# Altium PCB ultra.PcbDoc (part 2 of 9)
Units mm, origin at the board's own origin, x right, y up, seen from the top; angles counter-clockwise.
Board outline 210 x 210 mm, 2 copper layers (Top Layer, Bottom Layer), stack 1.591 mm thick; 722 components, 1083 nets, 2232 pads, 1540 vias.
Unrouted connection lines stored in the file: 21.
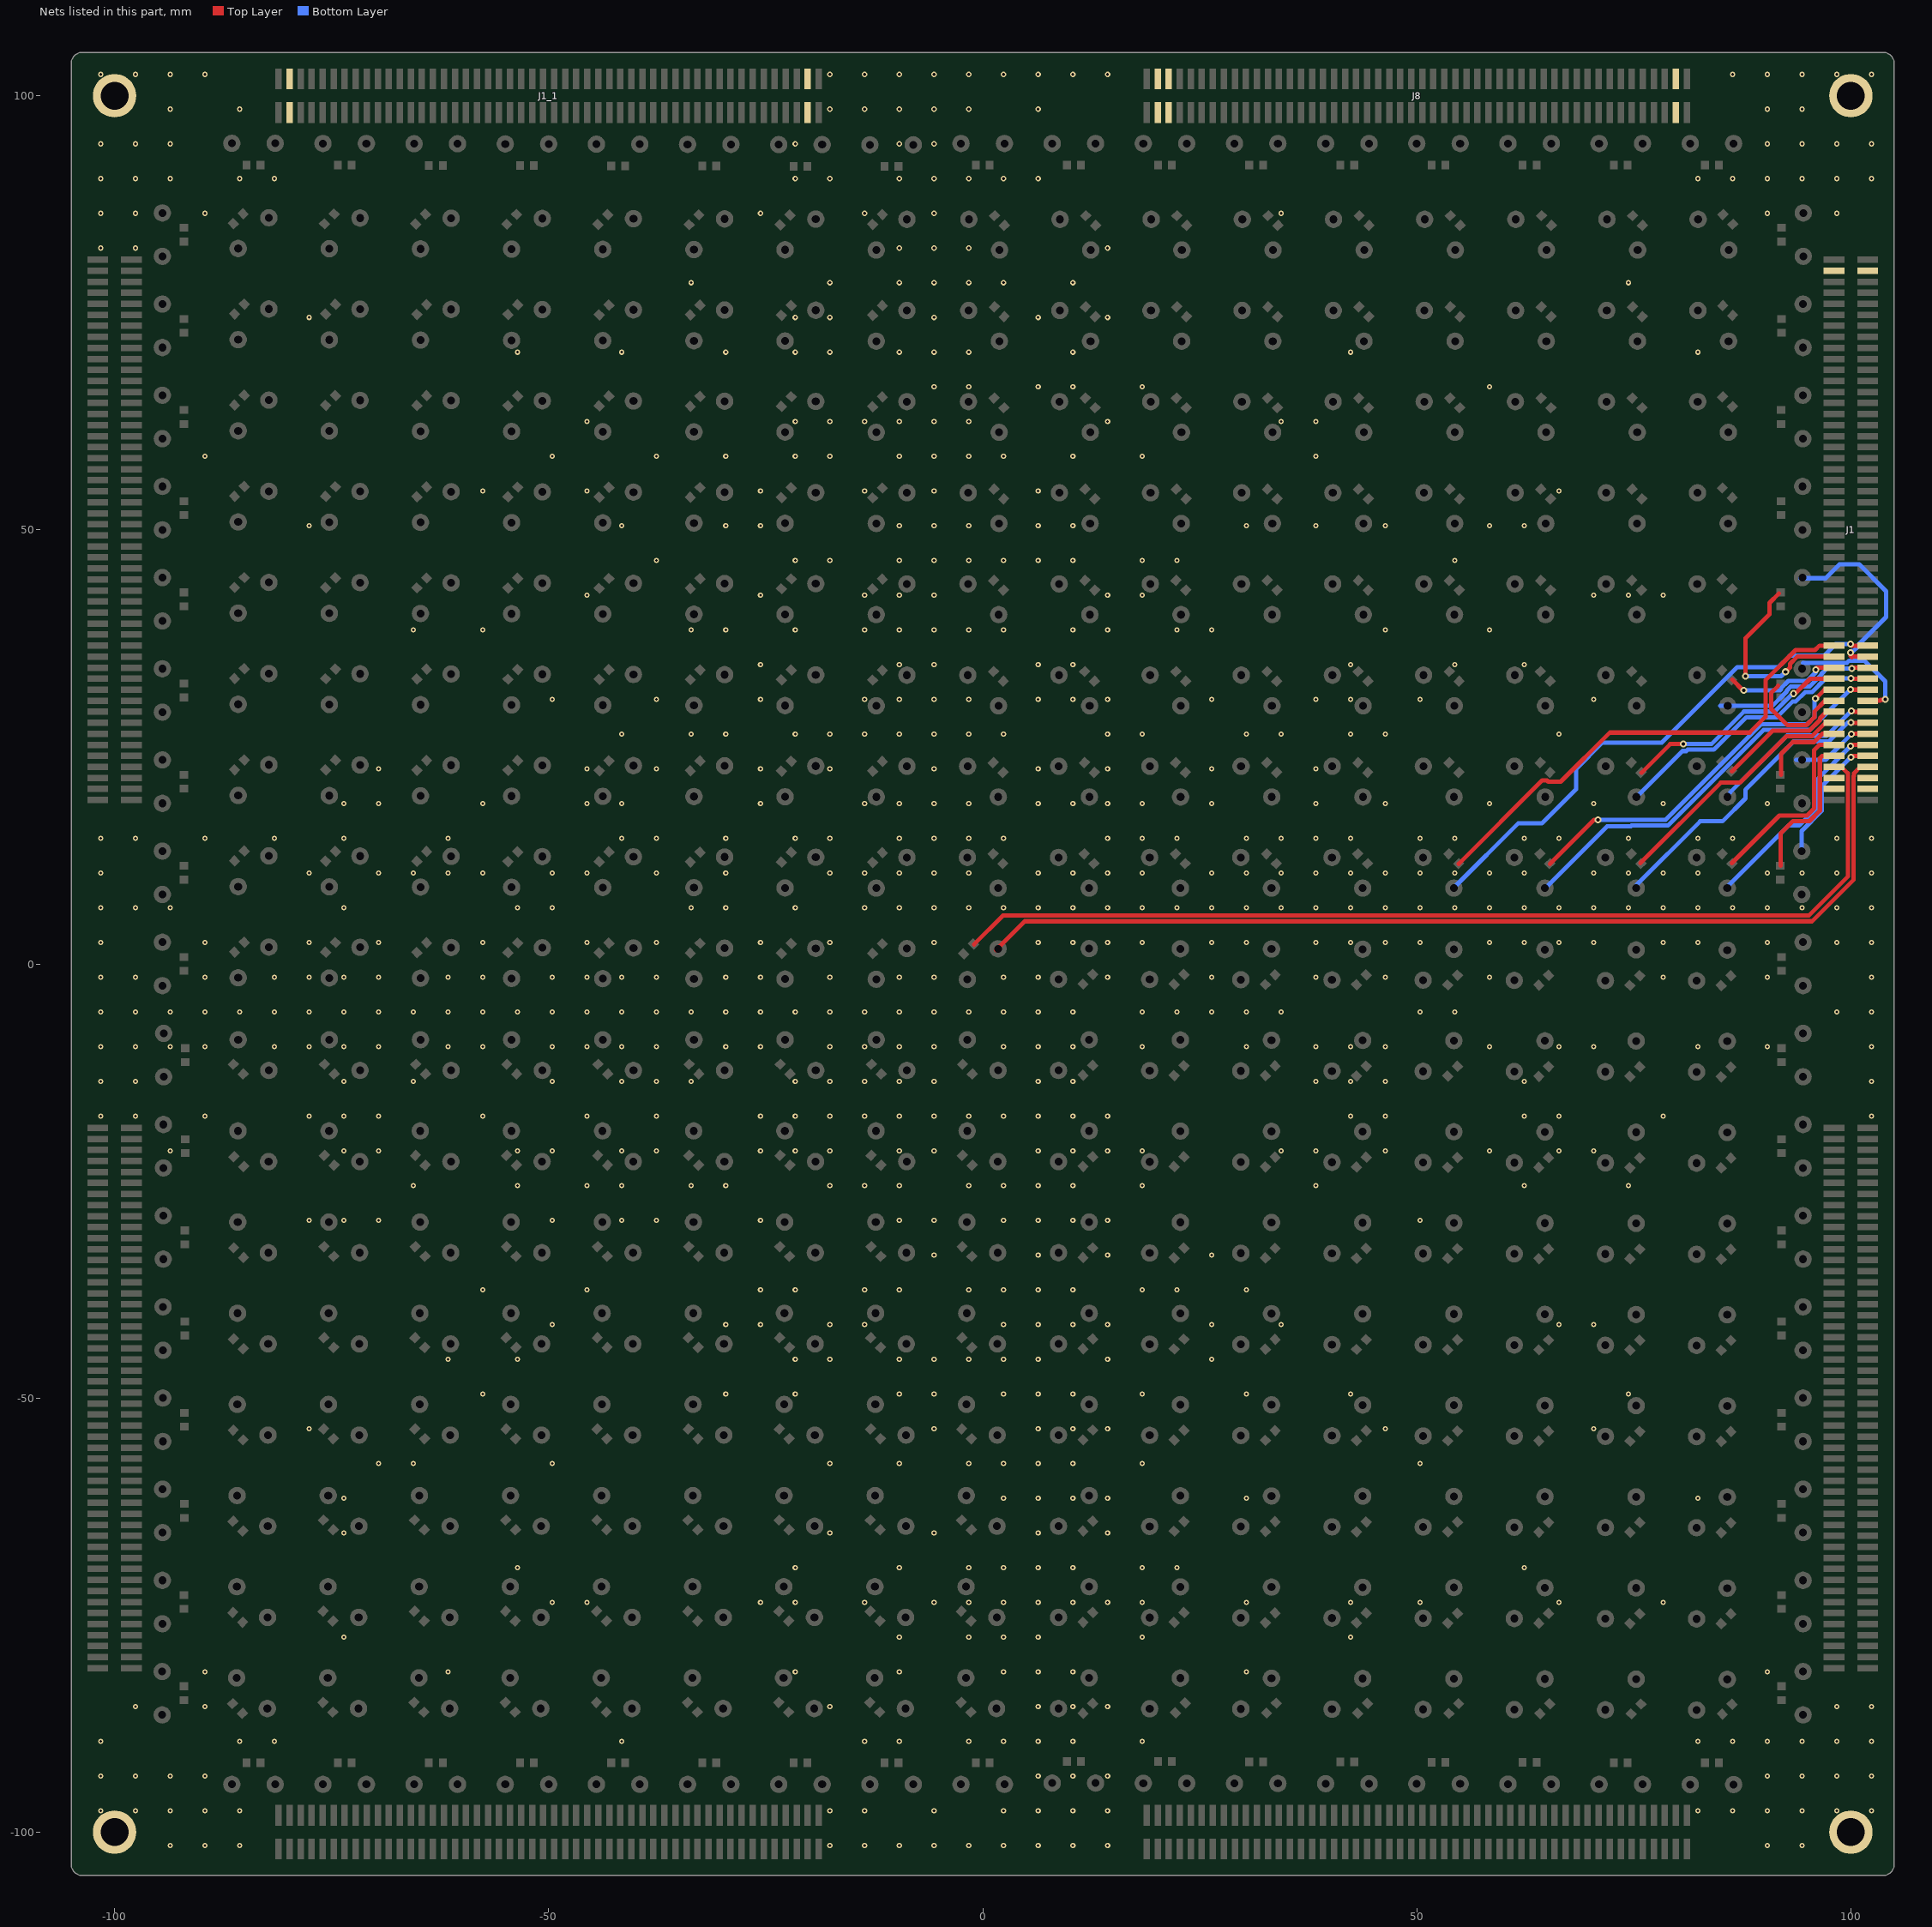
[diagram p2: the nets of this part, all layers, seen from the top]

## Components (designator, comment, footprint, x,y, rotation, side; value= is the part's Value field where it differs from the comment) (continued)
US1_U_ultra350_2_5_1 "Ultrasonic_10mm" ULTRA_10 -63,52.625 r45 bottom (schematic designator US1)
US1_U_ultra350_2_5_2 "Ultrasonic_10mm" ULTRA_10 -52.625,-63 r135 bottom (schematic designator US1)
US1_U_ultra350_2_5_3 "Ultrasonic_10mm" ULTRA_10 63,-52.625 r225 bottom (schematic designator US1)
US1_U_ultra350_2_6 "Ultrasonic_10mm" ULTRA_10 52.65,73.5 r315 bottom (schematic designator US1)
US1_U_ultra350_2_6_1 "Ultrasonic_10mm" ULTRA_10 -73.5,52.65 r45 bottom (schematic designator US1)
US1_U_ultra350_2_6_2 "Ultrasonic_10mm" ULTRA_10 -52.65,-73.5 r135 bottom (schematic designator US1)
US1_U_ultra350_2_6_3 "Ultrasonic_10mm" ULTRA_10 73.5,-52.65 r225 bottom (schematic designator US1)
US1_U_ultra350_2_7 "Ultrasonic_10mm" ULTRA_10 52.675,84 r315 bottom (schematic designator US1)
US1_U_ultra350_2_7_1 "Ultrasonic_10mm" ULTRA_10 -84,52.675 r45 bottom (schematic designator US1)
US1_U_ultra350_2_7_2 "Ultrasonic_10mm" ULTRA_10 -52.675,-84 r135 bottom (schematic designator US1)
US1_U_ultra350_2_7_3 "Ultrasonic_10mm" ULTRA_10 84,-52.675 r225 bottom (schematic designator US1)
US1_U_ultra350_2_8 "Ultrasonic_10mm" ULTRA_10 -10.5,52.5 r45 bottom (schematic designator US1)
US1_U_ultra350_2_9 "Ultrasonic_10mm" ULTRA_10 -52.5,-10.5 r135 bottom (schematic designator US1)
US1_U_ultra350_2_10 "Ultrasonic_10mm" ULTRA_10 10.5,-52.5 r225 bottom (schematic designator US1)
US1_U_ultra350_3 "Ultrasonic_10mm" ULTRA_10 42,10.5 r315 bottom (schematic designator US1)
US1_U_ultra350_3_1 "Ultrasonic_10mm" ULTRA_10 42.025,21 r315 bottom (schematic designator US1)
US1_U_ultra350_3_1_1 "Ultrasonic_10mm" ULTRA_10 -21,42.025 r45 bottom (schematic designator US1)
US1_U_ultra350_3_1_2 "Ultrasonic_10mm" ULTRA_10 -42.025,-21 r135 bottom (schematic designator US1)
US1_U_ultra350_3_1_3 "Ultrasonic_10mm" ULTRA_10 21,-42.025 r225 bottom (schematic designator US1)
US1_U_ultra350_3_2 "Ultrasonic_10mm" ULTRA_10 42.05,31.5 r315 bottom (schematic designator US1)
US1_U_ultra350_3_2_1 "Ultrasonic_10mm" ULTRA_10 -31.5,42.05 r45 bottom (schematic designator US1)
US1_U_ultra350_3_2_2 "Ultrasonic_10mm" ULTRA_10 -42.05,-31.5 r135 bottom (schematic designator US1)
US1_U_ultra350_3_2_3 "Ultrasonic_10mm" ULTRA_10 31.5,-42.05 r225 bottom (schematic designator US1)
US1_U_ultra350_3_3 "Ultrasonic_10mm" ULTRA_10 42.075,42 r315 bottom (schematic designator US1)
US1_U_ultra350_3_3_1 "Ultrasonic_10mm" ULTRA_10 -42,42.075 r45 bottom (schematic designator US1)
US1_U_ultra350_3_3_2 "Ultrasonic_10mm" ULTRA_10 -42.075,-42 r135 bottom (schematic designator US1)
US1_U_ultra350_3_3_3 "Ultrasonic_10mm" ULTRA_10 42,-42.075 r225 bottom (schematic designator US1)
US1_U_ultra350_3_4 "Ultrasonic_10mm" ULTRA_10 42.1,52.5 r315 bottom (schematic designator US1)
US1_U_ultra350_3_4_1 "Ultrasonic_10mm" ULTRA_10 -52.5,42.1 r45 bottom (schematic designator US1)
US1_U_ultra350_3_4_2 "Ultrasonic_10mm" ULTRA_10 -42.1,-52.5 r135 bottom (schematic designator US1)
US1_U_ultra350_3_4_3 "Ultrasonic_10mm" ULTRA_10 52.5,-42.1 r225 bottom (schematic designator US1)
US1_U_ultra350_3_5 "Ultrasonic_10mm" ULTRA_10 42.125,63 r315 bottom (schematic designator US1)
US1_U_ultra350_3_5_1 "Ultrasonic_10mm" ULTRA_10 -63,42.125 r45 bottom (schematic designator US1)
US1_U_ultra350_3_5_2 "Ultrasonic_10mm" ULTRA_10 -42.125,-63 r135 bottom (schematic designator US1)
US1_U_ultra350_3_5_3 "Ultrasonic_10mm" ULTRA_10 63,-42.125 r225 bottom (schematic designator US1)
US1_U_ultra350_3_6 "Ultrasonic_10mm" ULTRA_10 42.15,73.5 r315 bottom (schematic designator US1)
US1_U_ultra350_3_6_1 "Ultrasonic_10mm" ULTRA_10 -73.5,42.15 r45 bottom (schematic designator US1)
US1_U_ultra350_3_6_2 "Ultrasonic_10mm" ULTRA_10 -42.15,-73.5 r135 bottom (schematic designator US1)
US1_U_ultra350_3_6_3 "Ultrasonic_10mm" ULTRA_10 73.5,-42.15 r225 bottom (schematic designator US1)
US1_U_ultra350_3_7 "Ultrasonic_10mm" ULTRA_10 42.175,84 r315 bottom (schematic designator US1)
US1_U_ultra350_3_7_1 "Ultrasonic_10mm" ULTRA_10 -84,42.175 r45 bottom (schematic designator US1)
US1_U_ultra350_3_7_2 "Ultrasonic_10mm" ULTRA_10 -42.175,-84 r135 bottom (schematic designator US1)
US1_U_ultra350_3_7_3 "Ultrasonic_10mm" ULTRA_10 84,-42.175 r225 bottom (schematic designator US1)
US1_U_ultra350_3_8 "Ultrasonic_10mm" ULTRA_10 -10.5,42 r45 bottom (schematic designator US1)
US1_U_ultra350_3_9 "Ultrasonic_10mm" ULTRA_10 -42,-10.5 r135 bottom (schematic designator US1)
US1_U_ultra350_3_10 "Ultrasonic_10mm" ULTRA_10 10.5,-42 r225 bottom (schematic designator US1)
US1_U_ultra350_4 "Ultrasonic_10mm" ULTRA_10 31.5,10.5 r315 bottom (schematic designator US1)
US1_U_ultra350_4_1 "Ultrasonic_10mm" ULTRA_10 31.525,21 r315 bottom (schematic designator US1)
US1_U_ultra350_4_1_1 "Ultrasonic_10mm" ULTRA_10 -21,31.525 r45 bottom (schematic designator US1)
US1_U_ultra350_4_1_2 "Ultrasonic_10mm" ULTRA_10 -31.525,-21 r135 bottom (schematic designator US1)
US1_U_ultra350_4_1_3 "Ultrasonic_10mm" ULTRA_10 21,-31.525 r225 bottom (schematic designator US1)
US1_U_ultra350_4_2 "Ultrasonic_10mm" ULTRA_10 31.55,31.5 r315 bottom (schematic designator US1)
US1_U_ultra350_4_2_1 "Ultrasonic_10mm" ULTRA_10 -31.5,31.55 r45 bottom (schematic designator US1)
US1_U_ultra350_4_2_2 "Ultrasonic_10mm" ULTRA_10 -31.55,-31.5 r135 bottom (schematic designator US1)
US1_U_ultra350_4_2_3 "Ultrasonic_10mm" ULTRA_10 31.5,-31.55 r225 bottom (schematic designator US1)
US1_U_ultra350_4_3 "Ultrasonic_10mm" ULTRA_10 31.575,42 r315 bottom (schematic designator US1)
US1_U_ultra350_4_3_1 "Ultrasonic_10mm" ULTRA_10 -42,31.575 r45 bottom (schematic designator US1)
US1_U_ultra350_4_3_2 "Ultrasonic_10mm" ULTRA_10 -31.575,-42 r135 bottom (schematic designator US1)
US1_U_ultra350_4_3_3 "Ultrasonic_10mm" ULTRA_10 42,-31.575 r225 bottom (schematic designator US1)
US1_U_ultra350_4_4 "Ultrasonic_10mm" ULTRA_10 31.6,52.5 r315 bottom (schematic designator US1)
US1_U_ultra350_4_4_1 "Ultrasonic_10mm" ULTRA_10 -52.5,31.6 r45 bottom (schematic designator US1)
US1_U_ultra350_4_4_2 "Ultrasonic_10mm" ULTRA_10 -31.6,-52.5 r135 bottom (schematic designator US1)
US1_U_ultra350_4_4_3 "Ultrasonic_10mm" ULTRA_10 52.5,-31.6 r225 bottom (schematic designator US1)
US1_U_ultra350_4_5 "Ultrasonic_10mm" ULTRA_10 31.625,63 r315 bottom (schematic designator US1)
US1_U_ultra350_4_5_1 "Ultrasonic_10mm" ULTRA_10 -63,31.625 r45 bottom (schematic designator US1)
US1_U_ultra350_4_5_2 "Ultrasonic_10mm" ULTRA_10 -31.625,-63 r135 bottom (schematic designator US1)
US1_U_ultra350_4_5_3 "Ultrasonic_10mm" ULTRA_10 63,-31.625 r225 bottom (schematic designator US1)
US1_U_ultra350_4_6 "Ultrasonic_10mm" ULTRA_10 31.65,73.5 r315 bottom (schematic designator US1)
US1_U_ultra350_4_6_1 "Ultrasonic_10mm" ULTRA_10 -73.5,31.65 r45 bottom (schematic designator US1)
US1_U_ultra350_4_6_2 "Ultrasonic_10mm" ULTRA_10 -31.65,-73.5 r135 bottom (schematic designator US1)
US1_U_ultra350_4_6_3 "Ultrasonic_10mm" ULTRA_10 73.5,-31.65 r225 bottom (schematic designator US1)
US1_U_ultra350_4_7 "Ultrasonic_10mm" ULTRA_10 31.675,84 r315 bottom (schematic designator US1)
US1_U_ultra350_4_7_1 "Ultrasonic_10mm" ULTRA_10 -84,31.675 r45 bottom (schematic designator US1)
US1_U_ultra350_4_7_2 "Ultrasonic_10mm" ULTRA_10 -31.675,-84 r135 bottom (schematic designator US1)
US1_U_ultra350_4_7_3 "Ultrasonic_10mm" ULTRA_10 84,-31.675 r225 bottom (schematic designator US1)
US1_U_ultra350_4_8 "Ultrasonic_10mm" ULTRA_10 -10.5,31.5 r45 bottom (schematic designator US1)
US1_U_ultra350_4_9 "Ultrasonic_10mm" ULTRA_10 -31.5,-10.5 r135 bottom (schematic designator US1)
US1_U_ultra350_4_10 "Ultrasonic_10mm" ULTRA_10 10.5,-31.5 r225 bottom (schematic designator US1)
US1_U_ultra350_5 "Ultrasonic_10mm" ULTRA_10 21,10.5 r315 bottom (schematic designator US1)
US1_U_ultra350_5_1 "Ultrasonic_10mm" ULTRA_10 21.025,21 r315 bottom (schematic designator US1)
US1_U_ultra350_5_1_1 "Ultrasonic_10mm" ULTRA_10 -21,21.025 r45 bottom (schematic designator US1)
US1_U_ultra350_5_1_2 "Ultrasonic_10mm" ULTRA_10 -21.025,-21 r135 bottom (schematic designator US1)
US1_U_ultra350_5_1_3 "Ultrasonic_10mm" ULTRA_10 21,-21.025 r225 bottom (schematic designator US1)
US1_U_ultra350_5_2 "Ultrasonic_10mm" ULTRA_10 21.05,31.5 r315 bottom (schematic designator US1)
US1_U_ultra350_5_2_1 "Ultrasonic_10mm" ULTRA_10 -31.5,21.05 r45 bottom (schematic designator US1)
US1_U_ultra350_5_2_2 "Ultrasonic_10mm" ULTRA_10 -21.05,-31.5 r135 bottom (schematic designator US1)
US1_U_ultra350_5_2_3 "Ultrasonic_10mm" ULTRA_10 31.5,-21.05 r225 bottom (schematic designator US1)
US1_U_ultra350_5_3 "Ultrasonic_10mm" ULTRA_10 21.075,42 r315 bottom (schematic designator US1)
US1_U_ultra350_5_3_1 "Ultrasonic_10mm" ULTRA_10 -42,21.075 r45 bottom (schematic designator US1)
US1_U_ultra350_5_3_2 "Ultrasonic_10mm" ULTRA_10 -21.075,-42 r135 bottom (schematic designator US1)
US1_U_ultra350_5_3_3 "Ultrasonic_10mm" ULTRA_10 42,-21.075 r225 bottom (schematic designator US1)
US1_U_ultra350_5_4 "Ultrasonic_10mm" ULTRA_10 21.1,52.5 r315 bottom (schematic designator US1)
US1_U_ultra350_5_4_1 "Ultrasonic_10mm" ULTRA_10 -52.5,21.1 r45 bottom (schematic designator US1)
US1_U_ultra350_5_4_2 "Ultrasonic_10mm" ULTRA_10 -21.1,-52.5 r135 bottom (schematic designator US1)
US1_U_ultra350_5_4_3 "Ultrasonic_10mm" ULTRA_10 52.5,-21.1 r225 bottom (schematic designator US1)
US1_U_ultra350_5_5 "Ultrasonic_10mm" ULTRA_10 21.125,63 r315 bottom (schematic designator US1)
US1_U_ultra350_5_5_1 "Ultrasonic_10mm" ULTRA_10 -63,21.125 r45 bottom (schematic designator US1)
US1_U_ultra350_5_5_2 "Ultrasonic_10mm" ULTRA_10 -21.125,-63 r135 bottom (schematic designator US1)
US1_U_ultra350_5_5_3 "Ultrasonic_10mm" ULTRA_10 63,-21.125 r225 bottom (schematic designator US1)
US1_U_ultra350_5_6 "Ultrasonic_10mm" ULTRA_10 21.15,73.5 r315 bottom (schematic designator US1)
US1_U_ultra350_5_6_1 "Ultrasonic_10mm" ULTRA_10 -73.5,21.15 r45 bottom (schematic designator US1)
US1_U_ultra350_5_6_2 "Ultrasonic_10mm" ULTRA_10 -21.15,-73.5 r135 bottom (schematic designator US1)
US1_U_ultra350_5_6_3 "Ultrasonic_10mm" ULTRA_10 73.5,-21.15 r225 bottom (schematic designator US1)
US1_U_ultra350_5_7 "Ultrasonic_10mm" ULTRA_10 21.175,84 r315 bottom (schematic designator US1)
US1_U_ultra350_5_7_1 "Ultrasonic_10mm" ULTRA_10 -84,21.175 r45 bottom (schematic designator US1)
US1_U_ultra350_5_7_2 "Ultrasonic_10mm" ULTRA_10 -21.175,-84 r135 bottom (schematic designator US1)
US1_U_ultra350_5_7_3 "Ultrasonic_10mm" ULTRA_10 84,-21.175 r225 bottom (schematic designator US1)
US1_U_ultra350_5_8 "Ultrasonic_10mm" ULTRA_10 -10.5,21 r45 bottom (schematic designator US1)
US1_U_ultra350_5_9 "Ultrasonic_10mm" ULTRA_10 -21,-10.5 r135 bottom (schematic designator US1)
US1_U_ultra350_5_10 "Ultrasonic_10mm" ULTRA_10 10.5,-21 r225 bottom (schematic designator US1)
US1_U_ultra350_6 "Ultrasonic_10mm" ULTRA_10 10.5,10.5 r315 bottom (schematic designator US1)
US1_U_ultra350_6_1 "Ultrasonic_10mm" ULTRA_10 10.525,21 r315 bottom (schematic designator US1)
US1_U_ultra350_6_1_1 "Ultrasonic_10mm" ULTRA_10 -21,10.525 r45 bottom (schematic designator US1)
US1_U_ultra350_6_1_2 "Ultrasonic_10mm" ULTRA_10 -10.525,-21 r135 bottom (schematic designator US1)
US1_U_ultra350_6_1_3 "Ultrasonic_10mm" ULTRA_10 21,-10.525 r225 bottom (schematic designator US1)
US1_U_ultra350_6_2 "Ultrasonic_10mm" ULTRA_10 10.55,31.5 r315 bottom (schematic designator US1)
US1_U_ultra350_6_2_1 "Ultrasonic_10mm" ULTRA_10 -31.5,10.55 r45 bottom (schematic designator US1)
US1_U_ultra350_6_2_2 "Ultrasonic_10mm" ULTRA_10 -10.55,-31.5 r135 bottom (schematic designator US1)
US1_U_ultra350_6_2_3 "Ultrasonic_10mm" ULTRA_10 31.5,-10.55 r225 bottom (schematic designator US1)
US1_U_ultra350_6_3 "Ultrasonic_10mm" ULTRA_10 10.575,42 r315 bottom (schematic designator US1)
US1_U_ultra350_6_3_1 "Ultrasonic_10mm" ULTRA_10 -42,10.575 r45 bottom (schematic designator US1)
US1_U_ultra350_6_3_2 "Ultrasonic_10mm" ULTRA_10 -10.575,-42 r135 bottom (schematic designator US1)
US1_U_ultra350_6_3_3 "Ultrasonic_10mm" ULTRA_10 42,-10.575 r225 bottom (schematic designator US1)
US1_U_ultra350_6_4 "Ultrasonic_10mm" ULTRA_10 10.6,52.5 r315 bottom (schematic designator US1)
US1_U_ultra350_6_4_1 "Ultrasonic_10mm" ULTRA_10 -52.5,10.6 r45 bottom (schematic designator US1)
US1_U_ultra350_6_4_2 "Ultrasonic_10mm" ULTRA_10 -10.6,-52.5 r135 bottom (schematic designator US1)
US1_U_ultra350_6_4_3 "Ultrasonic_10mm" ULTRA_10 52.5,-10.6 r225 bottom (schematic designator US1)
US1_U_ultra350_6_5 "Ultrasonic_10mm" ULTRA_10 10.625,63 r315 bottom (schematic designator US1)
US1_U_ultra350_6_5_1 "Ultrasonic_10mm" ULTRA_10 -63,10.625 r45 bottom (schematic designator US1)
US1_U_ultra350_6_5_2 "Ultrasonic_10mm" ULTRA_10 -10.625,-63 r135 bottom (schematic designator US1)
US1_U_ultra350_6_5_3 "Ultrasonic_10mm" ULTRA_10 63,-10.625 r225 bottom (schematic designator US1)
US1_U_ultra350_6_6 "Ultrasonic_10mm" ULTRA_10 10.65,73.5 r315 bottom (schematic designator US1)
US1_U_ultra350_6_6_1 "Ultrasonic_10mm" ULTRA_10 -73.5,10.65 r45 bottom (schematic designator US1)
US1_U_ultra350_6_6_2 "Ultrasonic_10mm" ULTRA_10 -10.65,-73.5 r135 bottom (schematic designator US1)
US1_U_ultra350_6_6_3 "Ultrasonic_10mm" ULTRA_10 73.5,-10.65 r225 bottom (schematic designator US1)
US1_U_ultra350_6_7 "Ultrasonic_10mm" ULTRA_10 10.675,84 r315 bottom (schematic designator US1)
US1_U_ultra350_6_7_1 "Ultrasonic_10mm" ULTRA_10 -84,10.675 r45 bottom (schematic designator US1)
US1_U_ultra350_6_7_2 "Ultrasonic_10mm" ULTRA_10 -10.675,-84 r135 bottom (schematic designator US1)
US1_U_ultra350_6_7_3 "Ultrasonic_10mm" ULTRA_10 84,-10.675 r225 bottom (schematic designator US1)
US1_U_ultra350_6_8 "Ultrasonic_10mm" ULTRA_10 -10.5,10.5 r45 bottom (schematic designator US1)
US1_U_ultra350_6_9 "Ultrasonic_10mm" ULTRA_10 -10.5,-10.5 r135 bottom (schematic designator US1)
US1_U_ultra350_6_10 "Ultrasonic_10mm" ULTRA_10 10.5,-10.5 r225 bottom (schematic designator US1)
US1_U_ultra350_7 "Ultrasonic_10mm" ULTRA_10 0,10.5 r315 bottom (schematic designator US1)
US1_U_ultra350_7_1 "Ultrasonic_10mm" ULTRA_10 0.025,21 r315 bottom (schematic designator US1)
US1_U_ultra350_7_1_1 "Ultrasonic_10mm" ULTRA_10 -21,0.025 r45 bottom (schematic designator US1)
US1_U_ultra350_7_1_2 "Ultrasonic_10mm" ULTRA_10 -0.025,-21 r135 bottom (schematic designator US1)
US1_U_ultra350_7_1_3 "Ultrasonic_10mm" ULTRA_10 21,-0.025 r225 bottom (schematic designator US1)
US1_U_ultra350_7_2 "Ultrasonic_10mm" ULTRA_10 0.05,31.5 r315 bottom (schematic designator US1)
US1_U_ultra350_7_2_1 "Ultrasonic_10mm" ULTRA_10 -31.5,0.05 r45 bottom (schematic designator US1)
US1_U_ultra350_7_2_2 "Ultrasonic_10mm" ULTRA_10 -0.05,-31.5 r135 bottom (schematic designator US1)
US1_U_ultra350_7_2_3 "Ultrasonic_10mm" ULTRA_10 31.5,-0.05 r225 bottom (schematic designator US1)
US1_U_ultra350_7_3 "Ultrasonic_10mm" ULTRA_10 0.075,42 r315 bottom (schematic designator US1)
US1_U_ultra350_7_3_1 "Ultrasonic_10mm" ULTRA_10 -42,0.075 r45 bottom (schematic designator US1)
US1_U_ultra350_7_3_2 "Ultrasonic_10mm" ULTRA_10 -0.075,-42 r135 bottom (schematic designator US1)
US1_U_ultra350_7_3_3 "Ultrasonic_10mm" ULTRA_10 42,-0.075 r225 bottom (schematic designator US1)
US1_U_ultra350_7_4 "Ultrasonic_10mm" ULTRA_10 0.1,52.5 r315 bottom (schematic designator US1)
US1_U_ultra350_7_4_1 "Ultrasonic_10mm" ULTRA_10 -52.5,0.1 r45 bottom (schematic designator US1)
US1_U_ultra350_7_4_2 "Ultrasonic_10mm" ULTRA_10 -0.1,-52.5 r135 bottom (schematic designator US1)
US1_U_ultra350_7_4_3 "Ultrasonic_10mm" ULTRA_10 52.5,-0.1 r225 bottom (schematic designator US1)
US1_U_ultra350_7_5 "Ultrasonic_10mm" ULTRA_10 0.125,63 r315 bottom (schematic designator US1)
US1_U_ultra350_7_5_1 "Ultrasonic_10mm" ULTRA_10 -63,0.125 r45 bottom (schematic designator US1)
US1_U_ultra350_7_5_2 "Ultrasonic_10mm" ULTRA_10 -0.125,-63 r135 bottom (schematic designator US1)
US1_U_ultra350_7_5_3 "Ultrasonic_10mm" ULTRA_10 63,-0.125 r225 bottom (schematic designator US1)
US1_U_ultra350_7_6 "Ultrasonic_10mm" ULTRA_10 0.15,73.5 r315 bottom (schematic designator US1)
US1_U_ultra350_7_6_1 "Ultrasonic_10mm" ULTRA_10 -73.5,0.15 r45 bottom (schematic designator US1)
US1_U_ultra350_7_6_2 "Ultrasonic_10mm" ULTRA_10 -0.15,-73.5 r135 bottom (schematic designator US1)
US1_U_ultra350_7_6_3 "Ultrasonic_10mm" ULTRA_10 73.5,-0.15 r225 bottom (schematic designator US1)
US1_U_ultra350_7_7 "Ultrasonic_10mm" ULTRA_10 0.175,84 r315 bottom (schematic designator US1)
US1_U_ultra350_7_7_1 "Ultrasonic_10mm" ULTRA_10 -84,0.175 r45 bottom (schematic designator US1)
US1_U_ultra350_7_7_2 "Ultrasonic_10mm" ULTRA_10 -0.175,-84 r135 bottom (schematic designator US1)
US1_U_ultra350_7_7_3 "Ultrasonic_10mm" ULTRA_10 84,-0.175 r225 bottom (schematic designator US1)
US1_U_ultra350_7_8 "Ultrasonic_10mm" ULTRA_10 -10.5,0 r45 bottom (schematic designator US1)
US1_U_ultra350_7_8_1 "Ultrasonic_10mm" ULTRA_10 0,-0.025 r45 bottom (schematic designator US1)
US1_U_ultra350_7_9 "Ultrasonic_10mm" ULTRA_10 0,-10.5 r135 bottom (schematic designator US1)
US1_U_ultra350_7_10 "Ultrasonic_10mm" ULTRA_10 10.5,0 r225 bottom (schematic designator US1)
US1_U_ultra350_8 "Ultrasonic_10mm" ULTRA_10 73.525,21 r315 bottom (schematic designator US1)
US1_U_ultra350_8_1 "Ultrasonic_10mm" ULTRA_10 -21,73.525 r45 bottom (schematic designator US1)
US1_U_ultra350_8_2 "Ultrasonic_10mm" ULTRA_10 -73.525,-21 r135 bottom (schematic designator US1)
US1_U_ultra350_8_3 "Ultrasonic_10mm" ULTRA_10 21,-73.525 r225 bottom (schematic designator US1)
US1_U_ultra350_9 "Ultrasonic_10mm" ULTRA_10 73.55,31.5 r315 bottom (schematic designator US1)
US1_U_ultra350_9_1 "Ultrasonic_10mm" ULTRA_10 -31.5,73.55 r45 bottom (schematic designator US1)
US1_U_ultra350_9_2 "Ultrasonic_10mm" ULTRA_10 -73.55,-31.5 r135 bottom (schematic designator US1)
US1_U_ultra350_9_3 "Ultrasonic_10mm" ULTRA_10 31.5,-73.55 r225 bottom (schematic designator US1)
US1_U_ultra350_10 "Ultrasonic_10mm" ULTRA_10 73.575,42 r315 bottom (schematic designator US1)
US1_U_ultra350_10_1 "Ultrasonic_10mm" ULTRA_10 -42,73.575 r45 bottom (schematic designator US1)
US1_U_ultra350_10_2 "Ultrasonic_10mm" ULTRA_10 -73.575,-42 r135 bottom (schematic designator US1)
US1_U_ultra350_10_3 "Ultrasonic_10mm" ULTRA_10 42,-73.575 r225 bottom (schematic designator US1)
US1_U_ultra350_11 "Ultrasonic_10mm" ULTRA_10 73.6,52.5 r315 bottom (schematic designator US1)
US1_U_ultra350_11_1 "Ultrasonic_10mm" ULTRA_10 -52.5,73.6 r45 bottom (schematic designator US1)
US1_U_ultra350_11_2 "Ultrasonic_10mm" ULTRA_10 -73.6,-52.5 r135 bottom (schematic designator US1)
US1_U_ultra350_11_3 "Ultrasonic_10mm" ULTRA_10 52.5,-73.6 r225 bottom (schematic designator US1)
US1_U_ultra350_12 "Ultrasonic_10mm" ULTRA_10 73.625,63 r315 bottom (schematic designator US1)
US1_U_ultra350_12_1 "Ultrasonic_10mm" ULTRA_10 -63,73.625 r45 bottom (schematic designator US1)
US1_U_ultra350_12_2 "Ultrasonic_10mm" ULTRA_10 -73.625,-63 r135 bottom (schematic designator US1)
US1_U_ultra350_12_3 "Ultrasonic_10mm" ULTRA_10 63,-73.625 r225 bottom (schematic designator US1)
US1_U_ultra350_13 "Ultrasonic_10mm" ULTRA_10 73.65,73.5 r315 bottom (schematic designator US1)
US1_U_ultra350_13_1 "Ultrasonic_10mm" ULTRA_10 -73.5,73.65 r45 bottom (schematic designator US1)
US1_U_ultra350_13_2 "Ultrasonic_10mm" ULTRA_10 -73.65,-73.5 r135 bottom (schematic designator US1)
US1_U_ultra350_13_3 "Ultrasonic_10mm" ULTRA_10 73.5,-73.65 r225 bottom (schematic designator US1)